# Altium PCB intercomm.PcbDoc (part 2 of 2)
Units mm, origin at the board's own origin, x right, y up, seen from the top; angles counter-clockwise.
Board outline 240.62 x 142.9 mm, 2 copper layers (Top Layer, Bottom Layer); 96 components, 157 nets, 749 pads, 584 vias.
Unrouted connection lines stored in the file: 1.
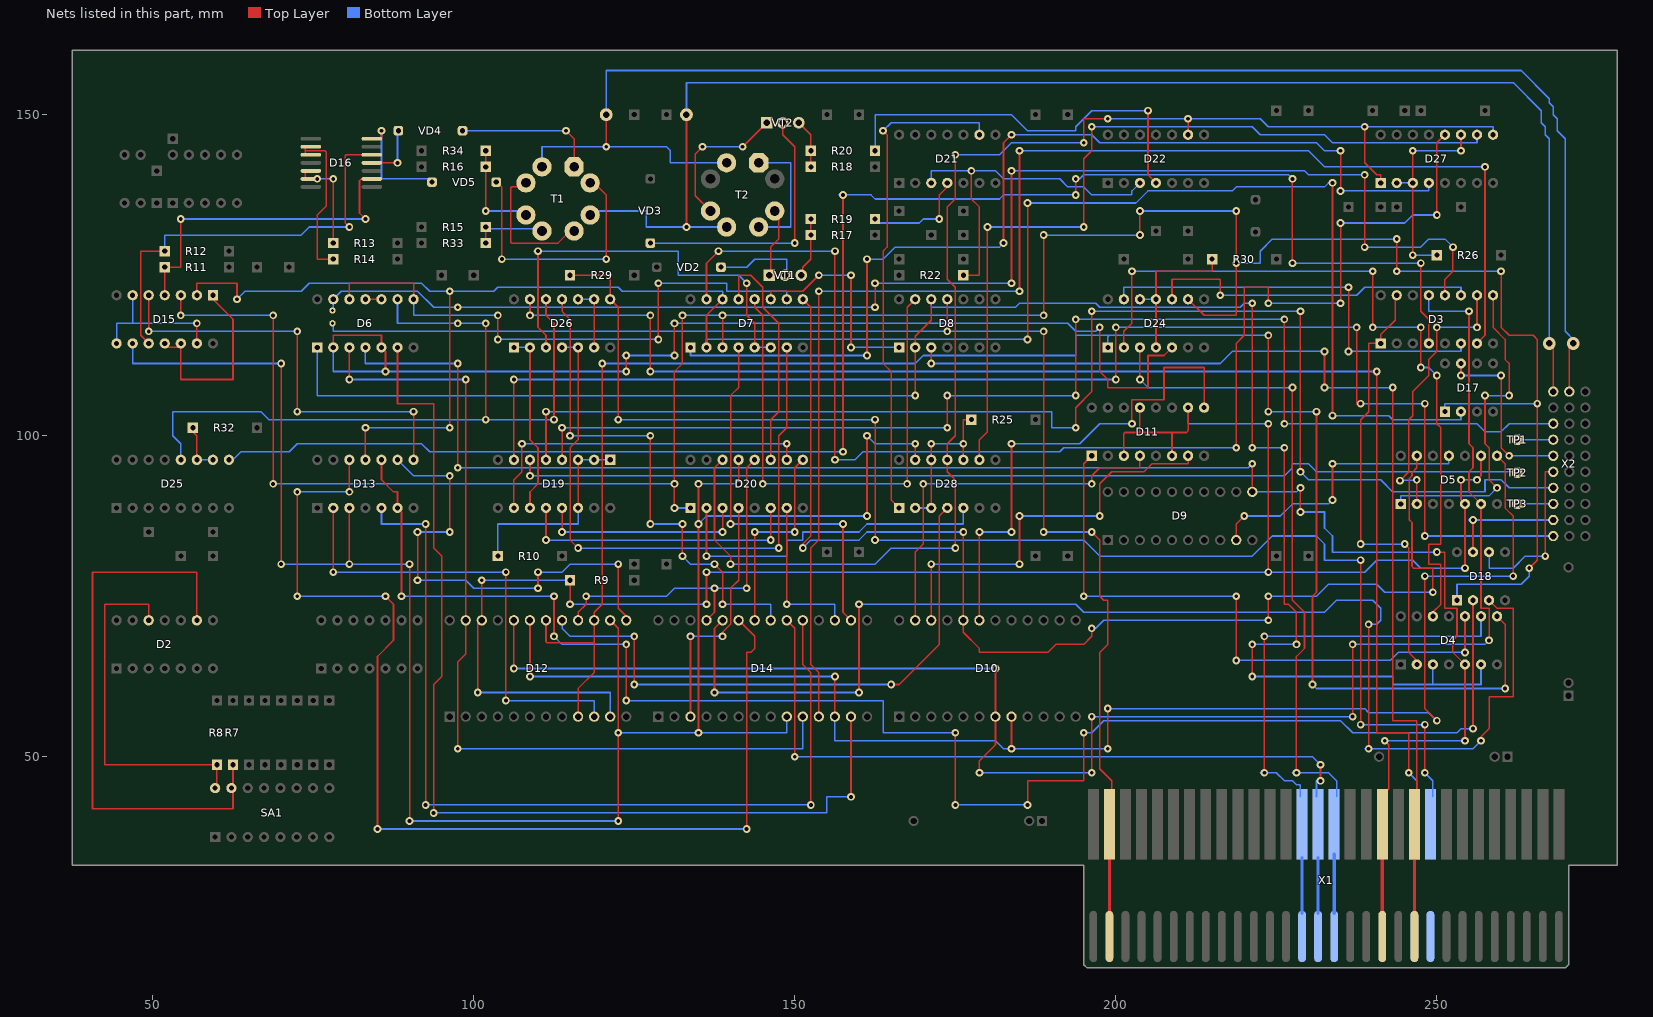
[diagram p2: the nets of this part, all layers, seen from the top]

## Via types
v1: diameter 1.2, hole 0.6, Top Layer to Bottom Layer, 581 vias
v2: diameter 2, hole 1, Top Layer to Bottom Layer, 2 vias
v3: diameter 1.6, hole 0.8, Top Layer to Bottom Layer, 1 vias

## Nets (pads, with @x,y where several pads share a name; then routed paths per layer and width w, separated by ;. In a path a pad name is that pad's centre, name@x,y a point inside that pad or via, vN(x,y) a via of type N, cw(c..) or ccw(c..) an arc to the next point about the centre after c; other vN are vias at no path point) (continued)
NetD2_9: D2.9 R7.2 SA1.4 | length 89.4
  Top Layer w0.25: D2.9@56.875,71.25 56.875,78.75 40.625,78.75 40.625,41.875 62.5,41.875 62.5,45 R7.2@62.5,48.75
NetD2_12: D2.12 R8.2 SA1.2 | length 55.6
  Top Layer w0.25: D2.12@49.375,71.25 49.375,73.75 42.5,73.75 42.5,48.75 R8.2@60,48.75 SA1.2@60,45
NetD3_1: D3.1 D3.15 D4.2 | length 68.6
  Top Layer w0.25: v1(238.125,83.125) 238.125,102.5 239.375,103.75 239.375,114.375 D3.1@241.25,114.375 241.25,115.75 243.5,118 243.5,121.625 D3.15@243.75,121.875 ; v1(245,83.125) 245.625,82.5 245.625,66.25 246.875,65 D4.2@246.875,64.375
  Bottom Layer w0.25: v1(238.125,83.125) v1(245,83.125)
NetD3_4: D3.4 D25.9 | length 257.5
  Top Layer w0.25: v1(157.5,97.5) v1(157.5,137.5) ; v1(193.75,137.5) v1(193.75,140) ; v1(227.5,126.875) v1(227.5,140) ; v1(247.5,126.875) 247.5,119.375 248.75,118.125 D3.4@248.75,114.375
  Bottom Layer w0.25: D25.9@61.875,96.25 62.5,96.25 63.75,97.5 71.25,97.5 72.5,98.75 91.875,98.75 93.125,97.5 v1(157.5,97.5) ; 156.875,137.5 161.875,137.5 162.5,136.875 181.875,136.875 182.5,137.5 v1(193.75,137.5) ; v1(193.75,140) 194.375,140 195,140.625 226.875,140.625 v1(227.5,140) ; v1(227.5,126.875) v1(247.5,126.875)
NetD3_6: D3.6 D24.13 | length 65.6
  Top Layer w0.25: v1(236.25,113.125) v1(236.25,123.125)
  Bottom Layer w0.25: D24.13@201.25,121.25 201.25,123.125 v1(236.25,123.125) ; v1(236.25,113.125) 253.75,113.125 D3.6@253.75,114.375
NetD3_7: D3.7 D14.11 | length 222
  Top Layer w0.25: D14.11@153.75,56.25 153.75,63.125 152.5,64.375 152.5,82.5 153.75,83.75 v1(153.75,122.5) ; v1(185,122.5) v1(185,144.375) ; D3.7@256.25,114.375 257.5,115.625 v1(257.5,141.875)
  Bottom Layer w0.25: v1(153.75,122.5) v1(185,122.5) ; v1(185,144.375) 230,144.375 232.5,141.875 v1(257.5,141.875)
NetD3_9: D3.9 D5.1 | length 52.3
  Top Layer w0.25: v1(257.5,106.25) 257.5,98.75 258.125,98.125 258.125,93.125 v1(259.375,91.875) ; D3.9@258.75,121.875 258.75,116.875 260.625,115 260.625,111.875 261.25,111.25 v1(261.25,106.25)
  Bottom Layer w0.25: D5.1@244.375,89.375 244.375,90.625 258.125,90.625 v1(259.375,91.875) ; v1(257.5,106.25) v1(261.25,106.25)
NetD3_10: D3.10 D5.2 | length 43.9
  Top Layer w0.25: v1(244.25,93) 245.625,94.375 245.625,102.5 246.25,103.125 246.25,106.875 248.75,109.375 248.75,111.875 250,113.125 v1(250,116.875) ; D5.2@246.875,89.375 v1(246.875,93.125) ; v1(256.25,116.875) D3.10@256.25,121.875
  Bottom Layer w0.25: v1(244.25,93) 244.313,93.063 246.812,93.063 v1(246.875,93.125) ; v1(250,116.875) v1(256.25,116.875)
NetD3_11: D3.11 D24.10 | length 52.4
  Top Layer w0.25: D24.10@208.75,121.25 208.75,124.375 216.25,124.375 v1(216.25,121.875)
  Bottom Layer w0.25: v1(216.25,121.875) 237.5,121.875 238.75,123.125 253.75,123.125 D3.11@253.75,121.875
NetD3_12: D3.12 D6.13 pad.1@78,119.5 | length 219.6
  Top Layer w0.25: v1(162.5,120) v1(162.5,123.75) ; v1(183.75,123.75) v1(183.75,141.25) ; v1(238.75,129.375) v1(238.75,140.625) ; D3.12@251.25,121.875 251.25,124.375 252.5,125.625 v1(252.5,129.375)
  Bottom Layer w0.25: pad.1@78.125,119.375 D6.13@78.125,121.25 79.375,122.5 91.25,122.5 93.75,120 v1(97.5,120) v1(162.5,120) ; v1(162.5,123.75) v1(183.75,123.75) ; v1(183.75,141.25) 229.375,141.25 230,140.625 v1(238.75,140.625) ; v1(238.75,129.375) 247.5,129.375 248.75,130.625 251.25,130.625 v1(252.5,129.375)
NetD3_13: D3.13 D5.6 D10.7 D12.20 | length 261.3
  Top Layer w0.25: v1(106.25,63.75) D12.20@106.25,71.25 ; v1(178.75,47.5) 178.75,49.375 181.25,51.875 D10.7@181.25,56.25 v1(181.25,63.75) ; v1(196.25,47.5) v1(196.25,56.25) ; v1(236.875,56.25) v1(236.875,67.5) ; v1(255,119.375) 255,98.75 255.625,98.125 255.625,95 255,94.375 255,91.25 D5.6@256.875,89.375 256.875,73.125 258.125,73.125 v1(258.125,68.125)
  Bottom Layer w0.25: v1(106.25,63.75) v1(181.25,63.75) ; v1(178.75,47.5) v1(196.25,47.5) ; v1(196.25,56.25) 236.25,56.25 ; v1(236.875,67.5) 257.5,67.5 v1(258.125,68.125) ; D3.13@248.75,121.875 248.75,119.375 v1(255,119.375)
NetD4_3: D4.3 D4.6 D6.1 D8.2 D8.12 | length 282.3
  Top Layer w0.25: v1(168.75,106.25) D8.2@168.75,113.75 ; v1(221.25,62.5) v1(221.25,67.5) ; v1(221.25,98.125) v1(221.25,120.625) ; v1(226.25,98.125) 226.25,73.75 226.875,73.75 228.125,72.5 v1(228.125,67.5)
  Top Layer w0.254: D8.2@168.75,113.75 168.75,115.5 171.25,118 D8.12@171.25,121.25
  Bottom Layer w0.25: D6.1@75.625,113.75 75.625,106.25 v1(168.75,106.25) ; D8.12@171.25,121.25 171.25,120 184.375,120 185,120.625 196.875,120.625 197.5,120 219.375,120 220,120.625 v1(221.25,120.625) ; v1(221.25,62.5) 243.125,62.5 243.125,61.25 256.875,61.25 D4.6@256.875,64.375 ; v1(221.25,67.5) 227.5,67.5 ; v1(221.25,98.125) v1(226.25,98.125) ; 249.375,61.25 D4.3@249.375,64.375
NetD4_5: D4.5 D6.4 D9.11 X1.B19 | length 259.6
  Top Layer w0.25: v1(97.5,95) v1(97.5,111.25) ; D9.11@221.25,91.25 v1(221.25,95.625) ; v1(228.75,88.125) v1(228.75,91.875) ; X1.B19@241.5,39.5 241.5,44.15 242.225,44.875 242.354,44.875 242.5,45.021 242.5,51.875 v1(241.875,52.5) ; v1(250,81.875) 251.25,81.875 251.25,73.125 253.125,73.125 253.125,68.75 252.5,68.125 252.5,66.25 D4.5@254.375,64.375 v1(254.375,52.5)
  Bottom Layer w0.25: D6.4@83.125,113.75 83.125,111.25 v1(97.5,111.25) ; v1(97.5,95) 220.625,95 v1(221.25,95.625) ; D9.11@221.25,91.25 228.125,91.25 v1(228.75,91.875) ; v1(228.75,88.125) 232.5,88.125 232.5,85.625 233.75,84.375 233.75,81.875 v1(250,81.875) ; v1(241.875,52.5) v1(254.375,52.5)
NetD4_8: D4.8 D12.9 D12.15 D12.18 D24.1 | length 281
  Top Layer w0.25: D12.9@116.25,56.25 116.25,60.625 118.75,63.125 118.75,67.75 118.75,72.5 120,73.75 v1(120,111.25) ; v1(223.75,103.75) v1(223.75,115.625) ; v1(230.625,61.25) 230.625,75 231.25,75.625 v1(231.25,103.75) ; D4.8@259.375,71.875 260.625,70.625 v1(260.625,60.625)
  Top Layer w0.254: D12.18@111.25,71.25 111.25,67.899 111.399,67.75 118.75,67.75
  Bottom Layer w0.25: v1(120,111.25) 168.75,111.25 170,112.5 193.75,112.5 193.75,115.625 199,115.625 ; D24.1@198.75,113.75 198.75,115.375 199,115.625 ; v1(223.75,103.75) v1(231.25,103.75) ; v1(223.75,115.625) 199,115.625 ; v1(230.625,61.25) 231.25,60.625 v1(260.625,60.625)
NetD4_9: D4.9 X1.A14 | length 67
  Top Layer w0.25: v1(223.125,47.5) v1(223.125,68.75)
  Bottom Layer w0.25: 222.5,47.5 225,47.5 226.25,46.25 227.5,46.25 228.125,45.625 228.75,45.625 X1.A14@228.75,43.75 ; v1(223.125,68.75) 256.875,68.75 D4.9@256.875,71.875
NetD4_10: D4.10 D11.1 | length 97.9
  Top Layer w0.25: v1(195,75) 195,95.625 D11.1@196.25,96.875 ; v1(218.75,65) v1(218.75,75) ; v1(254.375,66.25) D4.10@254.375,71.875
  Bottom Layer w0.25: v1(195,75) v1(218.75,75) ; v1(218.75,65) 242.75,65 244,66.25 v1(254.375,66.25)
NetD4_12: D4.12 D24.2 | length 117.4
  Top Layer w0.25: D24.2@201.25,113.75 201.25,116.25 202.5,117.5 v1(202.5,125.625) ; v1(240,116.875) v1(240,125.625) ; v1(247.5,110.625) v1(247.5,116.875) ; D4.12@249.375,71.875 249.375,72.5 250.625,73.75 250.625,80 248.75,80 248.75,83.125 250.625,83.125 250.625,101.25 250,101.875 v1(250,109.375)
  Bottom Layer w0.25: v1(202.5,125.625) v1(240,125.625) ; v1(240,116.875) v1(247.5,116.875) ; v1(247.5,110.625) 248.75,110.625 v1(250,109.375)
NetD5_5: D5.5 D5.9 D11.3 D11.6 D11.10 D11.13 D12.11 D12.22 R9.1 | length 289.4
  Top Layer w0.25: v1(100.625,60) 100.625,70.625 D12.22@101.25,71.25 v1(101.25,77.5) ; v1(115,73.75) R9.1@115,77.5 ; v1(136.25,73.75) v1(136.25,78.75) ; v1(223.75,78.75) v1(223.75,101.875) ; v1(253.75,93.125) 253.75,90 D5.5@254.375,89.375 v1(254.375,79.375) ; v1(256.25,93.125) 256.875,93.75 D5.9@256.875,96.875
  Top Layer w0.254: D11.3@201.25,96.875 201.25,100.351 201.399,100.5 203.75,100.5 ; D11.13@203.75,104.375 203.75,100.5 ; D11.6@208.75,96.875 208.75,100.351 208.601,100.5 ; D11.10@211.25,104.375 211.25,100.75 211,100.5 208.601,100.5 ; 203.75,100.5 208.601,100.5
  Bottom Layer w0.25: v1(100.625,60) 121.25,60 D12.11@121.25,56.25 ; 100.625,77.5 R9.1@115,77.5 ; v1(115,73.75) v1(136.25,73.75) ; v1(136.25,78.75) 238.75,78.75 240.625,80.625 246.25,80.625 247.5,79.375 v1(254.375,79.375) ; D11.10@211.25,104.375 211.25,101.875 v1(223.75,101.875) ; v1(253.75,93.125) v1(256.25,93.125)
NetD5_8: D5.8 D10.8 D12.19 D14.12 | length 229.4
  Top Layer w0.25: v1(108.75,62.5) D12.19@108.75,71.25 ; D14.12@156.25,56.25 v1(156.25,62.5) ; v1(183.75,51.25) D10.8@183.75,56.25 ; v1(198.75,51.25) v1(198.75,57.5) ; v1(248.125,78.125) 248.125,57.5 v1(250,55.625) ; D5.8@259.375,96.875 260.625,95.625 260.625,88.75 261.875,87.5 v1(261.875,78.125)
  Bottom Layer w0.25: v1(108.75,62.5) v1(156.25,62.5) ; D14.12@156.25,56.25 156.25,52.5 181.25,52.5 182.5,51.25 v1(183.75,51.25) v1(198.75,51.25) ; v1(198.75,57.5) 238.75,57.5 239.375,56.875 248.75,56.875 v1(250,55.625) ; v1(248.125,78.125) v1(261.875,78.125)
NetD5_11: D5.11 D9.9 | length 44.1
  Top Layer w0.25: D9.9@218.75,83.75 218.75,86.25 v1(220,87.5) ; v1(233.75,90) v1(233.75,95.625)
  Bottom Layer w0.25: v1(220,87.5) 225.625,87.5 227.5,89.375 233.125,89.375 v1(233.75,90) ; v1(233.75,95.625) 251.875,95.625 D5.11@251.875,96.875
NetD5_13: D5.13 D7.9 D10.20 | length 188.5
  Top Layer w0.25: v1(151.25,82.5) 151.25,83.125 152.5,84.375 152.5,120 D7.9@151.25,121.25 ; v1(176.25,85) D10.20@176.25,71.25 176.25,69.375 178.75,66.875 178.75,66.25 189.375,66.25 190.625,67.5 195,67.5 196.25,68.75 v1(196.25,70) ; v1(223.75,71.25) v1(223.75,75) ; D5.13@246.875,96.875 246.875,95 246.129,94.254 246.129,93.764 245.696,93.331 245.696,86.904 246.129,86.471 246.129,79.642 246.396,79.375 249.375,79.375 v1(249.375,75.625)
  Bottom Layer w0.25: v1(151.25,82.5) 152.5,83.75 160,83.75 161.25,85 v1(176.25,85) ; v1(196.25,70) 196.875,70 198.125,71.25 v1(223.75,71.25) ; v1(223.75,75) 231.25,75 233.125,76.875 240.625,76.875 241.875,75.625 248.75,75.625
NetD6_2: D6.2 D6.5 D24.5 | length 172.7
  Top Layer w0.25: D6.2@78.125,113.75 78.125,115.625 85.625,115.625 D6.5@85.625,113.75 86.25,113.125 v1(86.25,110) ; v1(123.75,110) v1(123.75,112.5) ; v1(131.25,112.5) v1(131.25,117.5) ; v1(197.5,116.875) 197.5,110 198.75,108.75 198.75,107.5 205,107.5 205,112.5 207.5,112.5 D24.5@208.75,113.75
  Bottom Layer w0.25: D6.2@78.125,113.75 78.125,110 123.125,110 ; 123.125,112.5 v1(131.25,112.5) ; 130.625,117.5 192.5,117.5 193.75,116.25 196.875,116.25 v1(197.5,116.875)
NetD6_3: D6.3 D12.23 D14.10 | length 139.9
  Top Layer w0.25: v1(80.625,108.75) D6.3@80.625,113.75 ; v1(97.5,51.25) 97.5,54.5 ; D12.23@98.75,71.25 v1(98.75,108.75)
  Top Layer w0.254: 97.5,54.5 97.5,64.75 98.75,66 D12.23@98.75,71.25
  Bottom Layer w0.25: v1(80.625,108.75) v1(98.75,108.75) ; v1(97.5,51.25) 151.25,51.25 D14.10@151.25,56.25
NetD6_6: D6.6 D14.13 | length 159.2
  Top Layer w0.25: D6.6@88.125,113.75 88.125,105 93.75,105 93.75,82.5 95,81.25 95,62.5 93.75,61.25 v1(93.75,41.25) ; v1(158.75,43.75) D14.13@158.75,56.25
  Bottom Layer w0.25: v1(93.75,41.25) 155,41.25 155,43.75 v1(158.75,43.75)
NetD6_8: D6.8 D6.12 D7.10 | length 90
  Top Layer w0.25: D6.12@80.625,121.25 80.625,123.75 90.625,123.75 D6.8@90.625,121.25 ; v1(103.75,115) v1(103.75,118.75) ; v1(128.75,115) v1(128.75,123.75)
  Bottom Layer w0.25: D6.8@90.625,121.25 90.625,118.75 103.125,118.75 ; v1(103.75,115) v1(128.75,115) ; v1(128.75,123.75) 139.375,123.75 139.375,122.5 148.75,122.5 D7.10@148.75,121.25
NetD6_9: D6.9 D25.12 D26.12 | length 119.7
  Top Layer w0.25: v1(101.875,102.5) v1(101.875,117.5) ; D26.12@111.25,121.25 111.25,118.75 112.5,117.5 v1(112.5,102.5)
  Bottom Layer w0.25: D25.12@54.375,96.25 54.375,98.75 53.125,100 53.125,103.75 66.875,103.75 68.125,102.5 v1(112.5,102.5) ; D6.9@88.125,121.25 88.125,117.5 v1(97.5,117.5) v1(101.875,117.5)
NetD6_10: D6.10 D6.11 | length 2.5
  Top Layer w0.25: D6.11@83.125,121.25 D6.10@85.625,121.25
NetD7_1: D7.1 D27.4 | length 157
  Top Layer w0.25: v1(161.25,112.5) v1(161.25,127.5) ; v1(182.5,130) 182.5,145.625 v1(183.75,146.875) ; v1(235,138.125) v1(235,144.375)
  Bottom Layer w0.25: D7.1@133.75,113.75 133.75,112.5 v1(161.25,112.5) ; v1(161.25,127.5) 163.75,127.5 165.625,129.375 181.875,129.375 v1(182.5,130) ; v1(183.75,146.875) 196.25,146.875 197.5,145.625 231.25,145.625 232.5,144.375 v1(235,144.375) ; v1(235,138.125) 248.75,138.125 D27.4@248.75,139.375
NetD7_2: D7.2 D7.14 D13.11 D15.2 D17.2 | length 316.5
  Top Layer w0.25: D15.2@56.875,121.25 56.875,123.75 63.125,123.75 v1(63.125,121.25) ; D13.11@83.125,96.25 v1(83.125,101.25) ; v1(96.25,101.25) v1(96.25,122.5) ; v1(186.25,115) v1(186.25,136.25) ; v1(233.75,103.125) v1(233.75,139.375)
  Top Layer w0.254: D7.2@136.25,113.75 136.25,118.75 D7.14@138.75,121.25
  Bottom Layer w0.25: v1(63.125,121.25) 64.375,122.5 73.125,122.5 74.375,123.75 91.875,123.75 93.125,122.5 103.125,122.5 103.75,123.125 122.5,123.125 123.125,122.5 138.75,122.5 D7.14@138.75,121.25 ; 83.75,101.25 v1(96.25,101.25) ; D7.2@136.25,113.75 136.25,115 v1(186.25,115) ; v1(186.25,136.25) 203.125,136.25 205,138.125 218.125,138.125 218.75,138.75 232.5,138.75 233.125,139.375 v1(233.75,139.375) ; v1(233.75,103.125) 242.5,103.125 243.125,102.5 253.75,102.5 D17.2@253.75,103.75
NetD7_3: D7.3 D15.3 D17.1 D18.1 D20.1 D24.9 | length 401.6
  Top Layer w0.25: v1(54.375,118.75) D15.3@54.375,121.25 ; v1(68.75,92.5) v1(68.75,118.75) ; v1(131.25,88.75) v1(131.25,92.5) 131.25,110 132.5,111.25 v1(132.5,118.75) ; D7.3@138.75,113.75 v1(138.75,118.75) ; v1(188.75,118.75) v1(188.75,131.25) ; v1(203.75,131.25) v1(203.75,135) ; D24.9@211.25,121.25 213.75,118.75 218.75,118.75 v1(218.75,126.875) v1(218.75,135) ; v1(243.75,125.625) v1(243.75,130.625) ; v1(260,125.625) 260,116.875 261.25,115.625 265,115.625 265.625,115 265.625,80.625 v1(264.375,79.375)
  Bottom Layer w0.25: v1(54.375,118.75) 68.125,118.75 ; v1(68.75,92.5) v1(131.25,92.5) ; v1(131.25,88.75) D20.1@133.75,88.75 ; v1(132.5,118.75) v1(188.75,118.75) ; v1(188.75,131.25) v1(203.75,131.25) ; v1(203.75,135) v1(218.75,135) ; v1(218.75,126.875) 222.5,126.875 222.5,128.75 224.375,130.625 v1(243.75,130.625) ; v1(243.75,125.625) v1(260,125.625) ; D17.1@251.25,103.75 251.25,105 v1(265.625,105) ; D18.1@253.125,74.375 253.125,76.875 263.125,76.875 264.375,78.125 v1(264.375,79.375)
NetD7_4: D7.4 D14.16 | length 61
  Top Layer w0.25: v1(140,86.25) 140,106.25 141.25,107.5 D7.4@141.25,113.75 ; v1(157.5,86.25) 157.5,72.5 D14.16@158.75,71.25
  Bottom Layer w0.25: v1(140,86.25) v1(157.5,86.25)
NetD7_5: D7.5 D7.6 D26.3 | length 65.9
  Top Layer w0.25: v1(110,128.75) 110,116.875 111.25,115.625 D26.3@111.25,113.75 ; v1(142.5,123.75) 142.5,118.75 143.75,117.5 D7.5@143.75,113.75
  Bottom Layer w0.25: 109.375,128.75 131.875,128.75 131.875,125 141.25,125 v1(142.5,123.75)
  Bottom Layer w0.254: D7.5@143.75,113.75 D7.6@146.25,113.75
NetD7_7: D7.7 D26.4 D26.5 | length 97.8
  Top Layer w0.25: v1(116.25,82.5) 115,83.75 115,98.125 116.25,99.375 D26.5@116.25,113.75 ; v1(147.5,82.5) 147.5,100 148.75,101.25 D7.7@148.75,113.75
  Bottom Layer w0.25: D26.4@113.75,113.75 D26.5@116.25,113.75 ; v1(116.25,82.5) v1(147.5,82.5)
NetD7_11: D7.11 D8.1 | length 33.5
  Top Layer w0.25: D7.11@146.25,121.25 146.25,122.5 151.25,122.5 v1(153.75,125) ; v1(158.75,113.75) v1(158.75,125)
  Bottom Layer w0.25: v1(153.75,125) v1(158.75,125) ; v1(158.75,113.75) D8.1@166.25,113.75
NetD7_12: D7.12 D8.13 | length 81
  Top Layer w0.25: D7.12@143.75,121.25 143.75,120 145,118.75 v1(145,92.5) ; v1(167.5,92.5) 167.5,120 D8.13@168.75,121.25
  Bottom Layer w0.25: v1(145,92.5) v1(167.5,92.5)
NetD7_13: D7.13 D20.11 | length 36.7
  Top Layer w0.25: D7.13@141.25,121.25 141.25,125 143.125,125 145,123.125 145,120 147.5,117.5 147.5,103.75 146.25,102.5 D20.11@146.25,96.25
NetD7_15: D7.15 D27.12 | length 205.6
  Top Layer w0.25: D7.15@136.25,121.25 136.25,126.875 v1(138.125,128.75) ; v1(156.25,96.25) v1(156.25,128.75) ; v1(218.75,98.125) 218.75,114.375 220,115.625 220,123.125 223.75,123.125 v1(223.75,120.625) ; v1(235,120.625) v1(235,133.125) ; v1(250,134.375) 250,145.625 D27.12@251.25,146.875
  Bottom Layer w0.25: 138.75,128.75 v1(156.25,128.75) ; v1(156.25,96.25) 159.375,96.25 160.625,97.5 191.25,97.5 191.875,98.125 v1(218.75,98.125) ; v1(223.75,120.625) v1(235,120.625) ; v1(235,133.125) 245,133.125 246.25,134.375 v1(250,134.375)
NetD8_3: D8.3 X1.B21 | length 149.5
  Top Layer w0.25: v1(171.25,111.25) D8.3@171.25,113.75 ; v1(232.5,107.5) v1(232.5,113.125) ; v1(243.125,107.5) 243.125,55.625 246.875,55.625 X1.B21@246.875,42.5
  Bottom Layer w0.25: 170.625,111.25 216.25,111.25 218.125,113.125 v1(232.5,113.125) ; v1(232.5,107.5) 242.5,107.5
NetD8_11: D8.11 pad.1@78,117.5 X1.B2 | length 200.2
  Top Layer w0.25: v1(173.75,116.25) D8.11@173.75,121.25 ; v1(188.75,85) v1(188.75,116.25) ; v1(196.25,85) 197.5,83.75 197.5,75 198.125,74.375 198.75,74.375 198.75,67.5 197.5,66.25 197.5,48.125 199.375,46.25 X1.B2@199.375,43.125
  Bottom Layer w0.25: pad.1@78.125,117.5 78.125,116.25 v1(188.75,116.25) ; v1(188.75,85) v1(196.25,85)
NetD10_19: D10.19 D11.9 | length 78.8
  Top Layer w0.25: D10.19@178.75,71.25 v1(178.75,85) ; v1(183.75,85) v1(183.75,98.75) ; v1(202.5,101.875) 202.5,105.625 207.5,105.625 207.5,110.625 213.75,110.625 D11.9@213.75,104.375
  Bottom Layer w0.25: v1(178.75,85) v1(183.75,85) ; v1(183.75,98.75) 194.375,98.75 197.5,101.875 v1(202.5,101.875)
NetD10_22: D10.22 D11.7 | length 63.8
  Top Layer w0.25: D10.22@171.25,71.25 v1(171.25,80) ; v1(185,80) v1(185,87.5) ; v1(197.5,87.5) 197.5,92.5 199.375,94.375 204.375,94.375 205.625,95.625 211.25,95.625 D11.7@211.25,96.875
  Bottom Layer w0.25: v1(171.25,80) v1(185,80) ; v1(185,87.5) v1(197.5,87.5)
NetD10_23: D10.23 D11.4 | length 59.2
  Top Layer w0.25: D10.23@168.75,71.25 168.75,81.875 170,83.125 v1(170,92.5) ; v1(196.25,92.5) 196.25,93.75 197.5,95 203.75,95 D11.4@203.75,96.875
  Bottom Layer w0.25: v1(170,92.5) v1(196.25,92.5)
NetD12_10: D12.10 D13.2 | length 73.1
  Top Layer w0.25: v1(78.125,78.75) D13.2@78.125,88.75 ; v1(105,58.75) v1(105,78.75)
  Bottom Layer w0.25: v1(78.125,78.75) v1(105,78.75) ; v1(105,58.75) 118.75,58.75 D12.10@118.75,56.25
NetD12_13: D12.13 D13.9 | length 75.1
  Top Layer w0.25: v1(91.25,77.5) v1(91.25,85) ; v1(96.25,85) v1(96.25,93.75) ; v1(110,76.25) v1(110,78.75) ; v1(122.5,80) 122.5,73.125 123.75,71.875 D12.13@123.75,71.25
  Bottom Layer w0.25: D13.9@88.125,96.25 90.625,93.75 95.625,93.75 ; 90.625,77.5 98.75,77.5 100,76.25 v1(110,76.25) ; 90.625,85 v1(96.25,85) ; v1(110,78.75) 113.75,78.75 115,80 v1(122.5,80)
NetD12_14: D12.14 D13.3 D14.9 D15.9 D20.13 D28.13 | length 317.2
  Top Layer w0.25: v1(70,80) v1(70,111.25) ; v1(80.625,80) D13.3@80.625,88.75 ; v1(90,40) v1(90,80) ; D12.14@121.25,71.25 122.5,70 v1(122.5,53.75) v1(122.5,40) ; v1(135,53.75) v1(135,86.25) v1(135,92.5) ; v1(141.25,92.5) D20.13@141.25,96.25 ; v1(161.25,87.5) v1(161.25,100) ; D28.13@168.75,96.25 v1(168.75,98.75)
  Bottom Layer w0.25: D15.9@46.875,113.75 46.875,111.25 v1(70,111.25) ; v1(70,80) v1(90,80) ; v1(90,40) v1(122.5,40) ; v1(122.5,53.75) 148.75,53.75 D14.9@148.75,56.25 ; v1(135,86.25) 136.25,87.5 v1(161.25,87.5) ; v1(135,92.5) v1(141.25,92.5) ; v1(161.25,100) 162.5,98.75 v1(168.75,98.75)
NetD12_16: D12.16 D14.25 D20.12 | length 55.8
  Top Layer w0.25: D12.16@116.25,71.25 116.25,72.5 117.5,73.75 v1(117.5,75) ; D14.25@136.25,71.25 137.5,72.5 v1(137.5,76.25) ; v1(142.5,76.25) 142.5,95 D20.12@143.75,96.25
  Bottom Layer w0.25: v1(117.5,75) 130,75 131.25,76.25 v1(142.5,76.25)
NetD12_17: D12.17 D28.4 | length 92.4
  Top Layer w0.25: v1(125,61.25) v1(125,68.75) ; v1(165,61.25) 166.25,61.25 172.5,67.5 172.5,87.5 D28.4@173.75,88.75
  Bottom Layer w0.25: D12.17@113.75,71.25 113.75,70 115,68.75 v1(125,68.75) ; v1(125,61.25) v1(165,61.25)
NetD13_5: D13.5 D14.19 | length 142.4
  Top Layer w0.25: v1(92.5,42.5) v1(92.5,86.25) ; D14.19@151.25,71.25 151.25,64.375 152.5,63.125 v1(152.5,42.5)
  Bottom Layer w0.25: D13.5@85.625,88.75 85.625,86.25 v1(92.5,86.25) ; v1(92.5,42.5) v1(152.5,42.5)
NetD13_6: D13.6 D13.10 D18.2 | length 254.6
  Top Layer w0.25: D13.10@85.625,96.25 85.625,93.125 87.5,91.25 88.125,91.25 D13.6@88.125,88.75 88.75,88.125 v1(88.75,75) ; v1(112.5,68.75) v1(112.5,75) ; v1(123.75,58.75) v1(123.75,67.5) ; v1(175,42.5) v1(175,53.75) ; v1(186.25,42.5) 186.25,46.25 195,46.25 v1(195,53.75) ; v1(255.625,54.375) D18.2@255.625,74.375
  Bottom Layer w0.25: v1(88.75,75) v1(112.5,75) ; v1(112.5,68.75) 113.75,67.5 v1(123.75,67.5) ; v1(123.75,58.75) 163.75,58.75 163.75,53.75 v1(175,53.75) ; v1(175,42.5) v1(186.25,42.5) ; v1(195,53.75) 196.25,53.75 198.125,55.625 235,55.625 236.875,53.75 253.125,53.75 253.75,54.375 v1(255.625,54.375)
NetD13_8: D13.8 D15.5 | length 66.2
  Top Layer w0.25: v1(49.375,116.25) D15.5@49.375,121.25 ; v1(72.5,103.75) v1(72.5,116.25) ; D13.8@90.625,96.25 v1(90.625,103.75)
  Bottom Layer w0.25: v1(49.375,116.25) 71.875,116.25 ; v1(72.5,103.75) 91.25,103.75
NetD13_12: D13.12 D14.23 | length 173.5
  Top Layer w0.25: v1(72.5,75) v1(72.5,91.25) ; v1(80.625,91.25) D13.12@80.625,96.25 ; v1(85,38.75) 85,65.625 87.5,68.125 87.5,73.75 v1(86.25,75) ; D14.23@141.25,71.25 143.75,68.75 143.75,66.875 143.125,66.25 142.5,66.25 v1(142.5,38.75)
  Bottom Layer w0.25: v1(72.5,75) v1(86.25,75) ; v1(72.5,91.25) 81.25,91.25 ; v1(85,38.75) v1(142.5,38.75)
NetD14_3: D14.3 D20.4 | length 38.5
  Top Layer w0.25: D14.3@133.75,56.25 v1(133.75,68.75) ; v1(138.75,68.75) 138.75,69.375 140,70.625 140,76.25 141.25,77.5 D20.4@141.25,88.75
  Bottom Layer w0.25: v1(133.75,68.75) v1(138.75,68.75)
NetD14_17: D14.17 D20.7 | length 25
  Top Layer w0.25: v1(148.75,73.75) D20.7@148.75,88.75
  Bottom Layer w0.25: v1(148.75,73.75) 156.25,73.75 D14.17@156.25,71.25
NetD14_20: D14.20 X1.A15 | length 109.2
  Top Layer w0.25: D14.20@148.75,71.25 150,70 v1(150,50) ; v1(231.875,46.25) v1(231.875,48.75)
  Bottom Layer w0.25: v1(150,50) 230.625,50 v1(231.875,48.75) ; X1.A15@231.25,43.75 231.25,46.25
NetD14_21: D14.21 D26.11 | length 80.3
  Top Layer w0.25: D26.11@113.75,121.25 113.75,119.375 115,118.125 v1(115,100) ; v1(127.5,86.25) v1(127.5,100) ; v1(132.5,81.25) v1(132.5,86.25) ; v1(137.5,80) 138.75,78.75 v1(138.75,73.75)
  Bottom Layer w0.25: v1(115,100) v1(127.5,100) ; v1(127.5,86.25) v1(132.5,86.25) ; v1(132.5,81.25) 133.75,80 v1(137.5,80) ; v1(138.75,73.75) 146.25,73.75 D14.21@146.25,71.25
NetD14_22: D14.22 D20.9 | length 31.8
  Top Layer w0.25: D14.22@143.75,71.25 v1(143.75,85) ; v1(150,85) 150,95 D20.9@151.25,96.25
  Bottom Layer w0.25: v1(143.75,85) v1(150,85)
NetD14_24: D14.24 D18.3 | length 202.3
  Top Layer w0.25: v1(137.5,60) 137.5,70 D14.24@138.75,71.25 ; v1(160,60) v1(160,73.75) ; v1(239.375,51.25) v1(239.375,70.625) ; v1(256.875,52.5) 256.875,53.125 258.125,54.375 258.125,59.375 261.875,59.375 261.875,73.125 259.375,73.125 D18.3@258.125,74.375
  Bottom Layer w0.25: v1(137.5,60) v1(160,60) ; v1(160,73.75) 193.75,73.75 195,72.5 232.5,72.5 234.375,74.375 240,74.375 241.25,73.125 241.25,71.25 240.625,70.625 v1(239.375,70.625) ; 238.75,51.25 255.625,51.25 v1(256.875,52.5)
NetD15_1: D15.1 D15.11 D15.12 | length 29.4
  Top Layer w0.25: D15.11@51.875,113.75 54.375,113.75 54.375,108.75 62.5,108.75 62.5,118.125 D15.1@59.375,121.25
NetD15_4: D15.4 D16.2 R11.1 | length 52.1
  Top Layer w0.25: D15.4@51.875,121.25 R11.1@51.875,126.25 54.375,126.25 v1(54.375,133.75) ; v1(83.125,133.75) 82.2,134.675 82.2,139.7 82.435,139.935 84.06,139.935 D16.2@84.125,140
  Bottom Layer w0.25: v1(54.375,133.75) v1(83.125,133.75)
NetD15_6: D15.6 D15.8 D15.13 | length 23.8
  Top Layer w0.25: D15.13@56.875,113.75 v1(56.875,117.5)
  Bottom Layer w0.25: D15.8@44.375,113.75 44.375,117.5 v1(56.875,117.5) ; 46.875,117.5 D15.6@46.875,121.25
NetD15_10: D15.10 D16.5 R12.1 | length 66.6
  Top Layer w0.25: D15.10@49.375,113.75 D15.10@49.375,114.375 48.125,115.625 48.125,128.75 R12.1@51.875,128.75 ; v1(80.625,132.5) 80,133.125 80,143.604 80.146,143.75 D16.5@84.125,143.75
  Bottom Layer w0.25: R12.1@51.875,128.75 51.875,131.25 73.125,131.25 74.375,132.5 v1(80.625,132.5)
NetD16_4: D16.4 VD4.2 | length 7.5
  Top Layer w0.25: D16.4@85.625,142.5 v1(88.125,142.5)
  Bottom Layer w0.25: v1(88.125,142.5) VD4.2@88.125,147.5
NetD16_7: D16.7 VD5.2 | length 16.3
  Top Layer w0.25: D16.7@85.625,146.25 v1(85.625,147.5)
  Bottom Layer w0.25: v1(85.625,147.5) 85.625,140 VD5.2@93.125,140
NetD16_9: D16.9 D16.10 R14.1 | length 24.4
  Top Layer w0.25: D16.10@73.75,143.75 73.75,144.375 ; D16.9@73.75,145 73.75,144.375 ; R14.1@78.125,127.5 75.625,127.5 75.625,134.375 77,135.75 77,144.229 76.854,144.375 73.75,144.375
NetD16_12: D16.12 D16.13 R13.1 | length 15.6
  Top Layer w0.25: D16.12@73.75,141.25 73.75,140 v1(75.625,140) ; R13.1@78.125,130 v1(78.125,140)
  Bottom Layer w0.25: v1(75.625,140) v1(78.125,140)
NetD19_1: D19.1 D19.2 D19.3 D19.14 R10.1 | length 32.5
  Top Layer w0.25: D19.14@116.25,88.75 D19.3@116.25,96.25
  Bottom Layer w0.25: R10.1@103.75,81.25 103.75,86.25 116.25,86.25 D19.14@116.25,88.75 ; D19.3@116.25,96.25 D19.1@121.25,96.25
NetD19_6: D19.6 TP2.1 | length 157.9
  Top Layer w0.25: v1(108.75,93.75) D19.6@108.75,96.25
  Bottom Layer w0.25: v1(108.75,93.75) 226.25,93.75 227.5,95 227.5,95.625 230,95.625 231.25,94.375 TP2.1@262.5,94.375
NetD19_10: D19.10 D20.10 | length 54.9
  Top Layer w0.25: D19.10@106.25,88.75 106.25,93.125 107.5,94.375 v1(107.5,98.75) ; D20.10@148.75,96.25 v1(148.75,98.75)
  Bottom Layer w0.25: 106.875,98.75 v1(148.75,98.75)
NetD19_11: D19.11 D26.1 D26.2 | length 28.5
  Top Layer w0.25: D19.11@108.75,88.75 108.75,91.25 110,92.5 110,98.125 108.75,99.375 D26.2@108.75,113.75
  Bottom Layer w0.25: D26.1@106.25,113.75 D26.2@108.75,113.75
NetD19_12: D19.12 D20.6 | length 45
  Top Layer w0.25: v1(111.25,83.75) D19.12@111.25,88.75 ; v1(146.25,83.75) D20.6@146.25,88.75
  Bottom Layer w0.25: v1(111.25,83.75) v1(146.25,83.75)
NetD19_13: D19.13 D20.3 | length 32.5
  Top Layer w0.25: v1(113.75,85) D19.13@113.75,88.75 ; v1(138.75,85) D20.3@138.75,88.75
  Bottom Layer w0.25: v1(113.75,85) v1(138.75,85)
NetD20_2: D20.2 D28.5 | length 54.3
  Top Layer w0.25: v1(136.25,81.25) D20.2@136.25,88.75
  Bottom Layer w0.25: v1(136.25,81.25) 148.75,81.25 148.75,83.75 151.25,83.75 151.25,85 160,85 161.25,86.25 176.25,86.25 D28.5@176.25,88.75
NetD20_14: D20.14 D22.9 D27.1 D27.9 D28.11 | length 219.9
  Top Layer w0.25: D20.14@138.75,96.25 137.5,95 137.5,83.75 140,81.25 v1(140,80) ; v1(175,82.5) 175,93.125 173.75,94.375 D28.11@173.75,96.25 173.75,98.75 175,100 175,123.125 173.75,124.375 173.75,135.625 175,136.875 v1(175,143.75) ; v1(195,145.625) 195,149.375 v1(198.75,149.375) ; D22.9@211.25,146.875 v1(211.25,149.375) ; v1(238.75,148.125) 238.75,142.5 240.625,140.625 241.25,140.625 D27.1@241.25,139.375
  Bottom Layer w0.25: v1(140,80) 162.5,80 165,82.5 v1(175,82.5) ; v1(175,143.75) 181.875,143.75 183.75,145.625 v1(195,145.625) ; v1(198.75,149.375) v1(211.25,149.375) 222.5,149.375 223.75,148.125 v1(238.75,148.125) 258.75,148.125 D27.9@258.75,146.875
NetD21_3: D21.3 D22.3 R22.2 | length 57
  Top Layer w0.25: R22.2@176.25,125 178.75,125 178.75,135.625 177.5,136.875 v1(177.5,141.25)
  Bottom Layer w0.25: D21.3@171.25,138.75 171.25,141.25 v1(177.5,141.25) 181.25,141.25 182.5,140 191.25,140 192.5,138.75 195,138.75 196.25,137.5 202.5,137.5 202.5,138.125 D22.3@203.75,139.375
NetD21_4: D21.4 R19.2 | length 16
  Top Layer w0.25: v1(172.5,133.75) 172.5,137.5 D21.4@173.75,138.75
  Bottom Layer w0.25: R19.2@162.5,133.75 163.125,133.125 169.375,133.125 170,133.75 v1(172.5,133.75)
NetD21_9: D21.9 D28.1 | length 78.3
  Top Layer w0.25: v1(163.75,147.5) 164.375,146.875 164.375,129.375 163.75,128.75 163.75,111.25 165,110 165,90 D28.1@166.25,88.75
  Bottom Layer w0.25: v1(163.75,147.5) 165,148.75 178.75,148.75 D21.9@178.75,146.25
NetD22_4: D22.4 R20.2 | length 62
  Top Layer w0.25: v1(205,150.625) 205,140.625 D22.4@206.25,139.375
  Bottom Layer w0.25: R20.2@162.5,145 162.5,150 183.75,150 186.25,147.5 193.75,147.5 193.75,148.125 196.25,150.625 v1(205,150.625)
NetD24_3: D24.3 X1.A16 | length 100.5
  Top Layer w0.25: v1(203.75,108.75) D24.3@203.75,113.75 ; v1(227.5,107.5) 227.5,74.375 229.375,72.5 229.375,66.875 228.125,65.625 v1(228.125,47.5)
  Bottom Layer w0.25: v1(203.75,108.75) 205,107.5 v1(227.5,107.5) ; 227.5,47.5 233.125,47.5 234.375,46.25 X1.A16@234.375,43.75
NetD24_4: D24.4 D24.11 D24.12 R30.1 | length 25
  Top Layer w0.25: D24.4@206.25,113.75 D24.11@206.25,121.25 206.25,125.625 215,125.625 R30.1@215,127.5
  Bottom Layer w0.25: D24.12@203.75,121.25 D24.11@206.25,121.25
NetD25_10: D25.10 D25.11 R32.1 | length 8
  Top Layer w0.25: R32.1@55.625,101.25 56.875,100 D25.11@56.875,96.25
  Bottom Layer w0.25: D25.11@56.875,96.25 D25.10@59.375,96.25
NetD26_6: D26.6 D26.9 D26.10 | length 10
  Top Layer w0.254: D26.6@118.75,113.75 D26.9@118.75,121.25
  Bottom Layer w0.25: D26.10@116.25,121.25 D26.9@118.75,121.25
NetD26_8: D26.8 R29.1 X1.A22 | length 216.3
  Top Layer w0.25: D26.8@121.25,121.25 122.5,120 v1(122.5,102.5) ; v1(162.5,83.75) v1(162.5,102.5) ; v1(238.125,55) v1(238.125,80.625) ; v1(248.125,47.5) v1(248.125,55)
  Top Layer w0.254: R29.1@115,125 121.101,125 121.25,124.851 D26.8@121.25,121.25
  Bottom Layer w0.25: 121.875,102.5 v1(162.5,102.5) ; v1(162.5,83.75) 195,83.75 197.5,81.25 221.25,81.25 224.375,84.375 231.25,84.375 232.5,83.125 232.5,80.625 237.5,80.625 ; v1(238.125,55) v1(248.125,55) ; v1(248.125,47.5) 249.375,46.25 X1.A22@249.375,43.75
NetD26_13: D26.13 X1.A21 | length 214.5
  Top Layer w0.25: v1(108.75,118.75) D26.13@108.75,121.25 ; v1(127.5,110) v1(127.5,118.75) ; 240,110 240.625,109.375 240.625,53.75 245.625,53.75 v1(245.625,47.5)
  Bottom Layer w0.25: v1(108.75,118.75) v1(127.5,118.75) ; v1(127.5,110) 240,110 ; v1(245.625,47.5) 246.875,46.25 X1.A21@246.875,43.75
  other v1: 240.625,110
NetD27_2: D27.2 D27.3 D27.11 R26.1 | length 32.5
  Top Layer w0.25: v1(246.25,128.125) D27.3@246.25,139.375 v1(246.25,144.375) ; v1(253.75,144.375) D27.11@253.75,146.875
  Bottom Layer w0.25: D27.2@243.75,139.375 D27.3@246.25,139.375 ; v1(246.25,128.125) R26.1@250,128.125 ; v1(246.25,144.375) v1(253.75,144.375)
NetD27_10: D27.10 D28.9 | length 130.2
  Top Layer w0.25: D28.9@178.75,96.25 178.75,99.375 180,100.625 v1(180,132.5) ; v1(195,132.5) 195,143.125 196.25,144.375 v1(196.25,148.125)
  Bottom Layer w0.25: v1(180,132.5) v1(195,132.5) ; v1(196.25,148.125) 221.25,148.125 222.5,146.875 232.5,146.875 233.75,145.625 256.25,145.625 D27.10@256.25,146.875
NetD28_2: D28.2 D28.3 D28.10 D28.12 R25.1 | length 25
  Top Layer w0.25: D28.12@171.25,96.25 v1(171.25,98.75) ; D28.10@176.25,96.25 v1(176.25,98.75) 176.25,102.5 R25.1@177.5,102.5
  Top Layer w0.254: D28.3@171.25,88.75 D28.12@171.25,96.25
  Bottom Layer w0.25: D28.2@168.75,88.75 D28.3@171.25,88.75 ; v1(171.25,98.75) v1(176.25,98.75)
NetR15_2: R15.2 R33.2 T1.5 | length 11.5
  Top Layer w0.25: R33.2@101.875,130 R15.2@101.875,132.5
  Bottom Layer w0.25: R15.2@101.875,132.5 102.125,132.25 110.25,132.25 T1.5@110.625,131.875
NetR16_2: R16.2 R34.2 T1.4 | length 16.3
  Top Layer w0.25: v1(101.875,135) R34.2@101.875,145
  Bottom Layer w0.25: v1(101.875,135) T1.4@108.125,135
NetR17_1: R17.1 R19.1 VT1.E | length 9.3
  Top Layer w0.25: VT1.E@151.25,125 151.25,126.25 152.5,127.5 R19.1@152.5,133.75
NetR18_1: R18.1 R20.1 VT2.E | length 7
  Top Layer w0.25: VT2.E@150.625,148.75 152.5,146.875 R18.1@152.5,142.5
NetT1_1: T1.1 VD4.1 | length 21.6
  Top Layer w0.25: v1(114.375,147.5) 115.625,146.25 T1.1@115.625,142.5
  Bottom Layer w0.25: VD4.1@98.25,147.5 v1(114.375,147.5)
NetT1_3: T1.3 T1.6 | length 22.4
  Top Layer w0.25: T1.3@108.125,140 106.875,138.75 105.896,138.75 105.823,138.677 105.75,138.604 105.75,130.146 105.823,130.073 105.896,130 110.495,130 cw(c110.495,129.75) 110.509,130 ccw(c110.625,131.875) 110.74,130 cw(c110.755,129.75) 110.755,130 113.125,130 T1.6@115.625,132.5
NetT1_8: T1.8 VD5.1 | length 42.8
  Top Layer w0.25: VD5.1@103.125,140 104.375,138.75 v1(104.375,127.5) ; T1.8@118.125,140 120.625,137.5 v1(120.625,127.5)
  Bottom Layer w0.25: v1(104.375,127.5) v1(120.625,127.5)
NetT2_1: T2.1 T2.6 | length 20
  Bottom Layer w0.25: T2.6@144.375,132.5 149.375,132.5 149.375,142.5 T2.1@144.375,142.5
NetT2_4: T2.4 VT2.B | length 23
  Top Layer w0.25: v1(135.625,145) 134.5,143.875 134.5,137.375 T2.4@136.875,135 ; v1(141.875,145) VT2.B@145.625,148.75
  Bottom Layer w0.25: v1(135.625,145) v1(141.875,145)
NetT2_7: T2.7 VT1.B | length 10.8
  Top Layer w0.25: VT1.B@146.25,125 146.25,129.375 147.5,130.625 147.5,134.375 T2.7@146.875,135
NetVD2_2: VD2.2 VT1.C | length 12.4
  Bottom Layer w0.25: 139.375,126.25 142.5,126.25 143.75,127.5 148.75,127.5 VT1.C@148.75,125
NetVD3_2: VD3.2 VT2.C | length 42
  Top Layer w0.25: VT2.C@148.125,148.75 148.125,146.875 150,145 v1(150,130)
  Bottom Layer w0.25: VD3.2@127.5,130 v1(150,130)
OB10: pad.1@120.625,150 T1.2 T2.2 X2.B10 | length 241.4
  Top Layer w0.25: v1(120.625,145) pad.1@120.625,150 ; X2.B10@270.625,106.875 270.625,113.75 v2(271.25,114.375)
  Bottom Layer w0.25: T1.2@110.625,142.5 110.625,145 v1(120.625,145) 130,145 130.625,144.375 130.625,142.5 T2.2@139.375,142.5 ; pad.1@120.625,150 120.625,156.875 263.125,156.875 267.5,152.5 267.5,151.875 268.125,151.25 268.125,150 268.75,149.375 268.75,147.5 270,146.25 270,116.25 271.25,115 v2(271.25,114.375)
OC1: D19.7 X2.C1 | length 214.4
  Top Layer w0.25: D19.7@106.25,96.25 v1(106.25,108.75) ; v1(200,108.75) v1(200,116.875) ; 237.5,105 v1(237.5,116.875) ; v1(248.125,84.375) v1(248.125,105)
  Bottom Layer w0.25: v1(106.25,108.75) v1(200,108.75) ; v1(200,116.875) v1(237.5,116.875) ; 237.5,105 247.5,105 ; v1(248.125,84.375) X2.C1@268.125,84.375
  other v1: 238.125,105
OC2: D18.7 X2.C2 | length 18.1
  Top Layer w0.25: D18.7@255.625,81.875 v1(255.625,86.875)
  Bottom Layer w0.25: 255,86.875 X2.C2@268.125,86.875
OC3: TP3.1 X2.C3 | length 5.6
  Bottom Layer w0.25: TP3.1@262.5,89.375 X2.C3@268.125,89.375
OC4: D19.5 X2.C4 | length 212.2
  Top Layer w0.25: D19.5@111.25,96.25 v1(111.25,103.75) ; v1(193.75,101.25) 193.75,104.375 196.25,106.875 v1(196.25,119.375) ; v1(228.75,94.375) v1(228.75,119.375)
  Bottom Layer w0.25: v1(111.25,103.75) 190,103.75 190,101.25 v1(193.75,101.25) ; v1(196.25,119.375) v1(228.75,119.375) ; v1(228.75,94.375) 230,93.125 241.25,93.125 243.125,91.25 257.5,91.25 257.5,93.125 260,93.125 261.25,91.875 X2.C4@268.125,91.875
OC5: D18.6 X2.C5 | length 26.4
  Top Layer w0.25: v1(266.875,81.25) 266.875,94.375 X2.C5@268.125,94.375
  Bottom Layer w0.25: D18.6@258.125,81.875 258.125,79.375 261.875,79.375 263.75,81.25 v1(266.875,81.25)
OC6: D17.7 X2.C6 | length 28
  Top Layer w0.25: v1(253.75,109.375) D17.7@253.75,111.25 ; v1(260,109.375) 260,98.125 v1(261.25,96.875)
  Bottom Layer w0.25: v1(253.75,109.375) v1(260,109.375) ; v1(261.25,96.875) X2.C6@268.125,96.875
OC7: TP1.1 X2.C7 | length 5.6
  Bottom Layer w0.25: TP1.1@262.5,99.375 X2.C7@268.125,99.375
OC8: D19.4 X2.C8 | length 193.5
  Top Layer w0.25: D19.4@113.75,96.25 v1(113.75,101.25) ; v1(173.75,101.25) v1(173.75,106.25) ; v1(193.75,106.25) v1(193.75,118.125) ; v1(226.25,101.875) v1(226.25,118.125)
  Bottom Layer w0.25: v1(113.75,101.25) v1(173.75,101.25) ; v1(173.75,106.25) v1(193.75,106.25) ; v1(193.75,118.125) v1(226.25,118.125) ; v1(226.25,101.875) 256.25,101.875 257.5,100.625 260,100.625 261.25,101.875 X2.C8@268.125,101.875
OC10: pad.1@133.125,150 T1.7 T2.5 X2.C10 | length 225.7
  Top Layer w0.25: v1(133.125,132.5) pad.1@133.125,150 ; v2(267.5,114.375) 268.125,113.75 X2.C10@268.125,106.875
  Bottom Layer w0.25: T1.7@118.125,135 126.875,135 126.875,132.5 T2.5@139.375,132.5 ; pad.1@133.125,150 133.125,155 261.875,155 266.25,150.625 266.25,148.75 266.875,148.125 266.875,146.875 267.5,146.25 v2(267.5,114.375)
pads on no net: D4.4 D8.4 D8.5 D8.6 D8.8 D8.9 D8.10 D11.12 D14.14 D14.15 D14.18 D16.1 D16.8 D17.3 D17.6 D19.9 D19.16 D21.1 D21.5 D21.7 D21.8 D21.10 D21.12 D21.13 D21.14 D22.1 D22.5 D22.7 D22.8 D22.10 D22.12 D22.13 D22.14 D24.6 D24.8 D25.1 D25.2 D25.3 D25.4 D25.5 D25.13 D25.14 D25.15 D27.5 D27.13 D28.6 D28.8 X1.A12 X1.A13 X1.A17 X1.A18 X1.A19 X1.A20 X1.A23 X1.A24 X1.A25 X1.A26 X1.A27 X1.B1 X1.B15 X1.B16 X1.B17 X1.B18 X1.B20 X1.B22 X1.B23 X1.B24 X1.B25 X1.B27 X2.A1 X2.A2 X2.A3 X2.A4 X2.A5 X2.A6 X2.A7 X2.A8 X2.A10 X2.B1 X2.B2 X2.B3 X2.B4 X2.B5 X2.B6 X2.B7 X2.B8

## Keep-outs
Keep-Out Layer:
  the board outline again, w0.254

## Text inside footprints (layer, text, board x,y; h text height)
X1: Top Overlay "B1" at 191.7,34.184 h2; Top Overlay "B30" at 271.1,34.184 h2; Bottom Overlay "A1" at 194.392,34.184 h2; Bottom Overlay "A30" at 276.492,34.084 h2